# KiCad board r1_panel.kicad_pcb (continued)
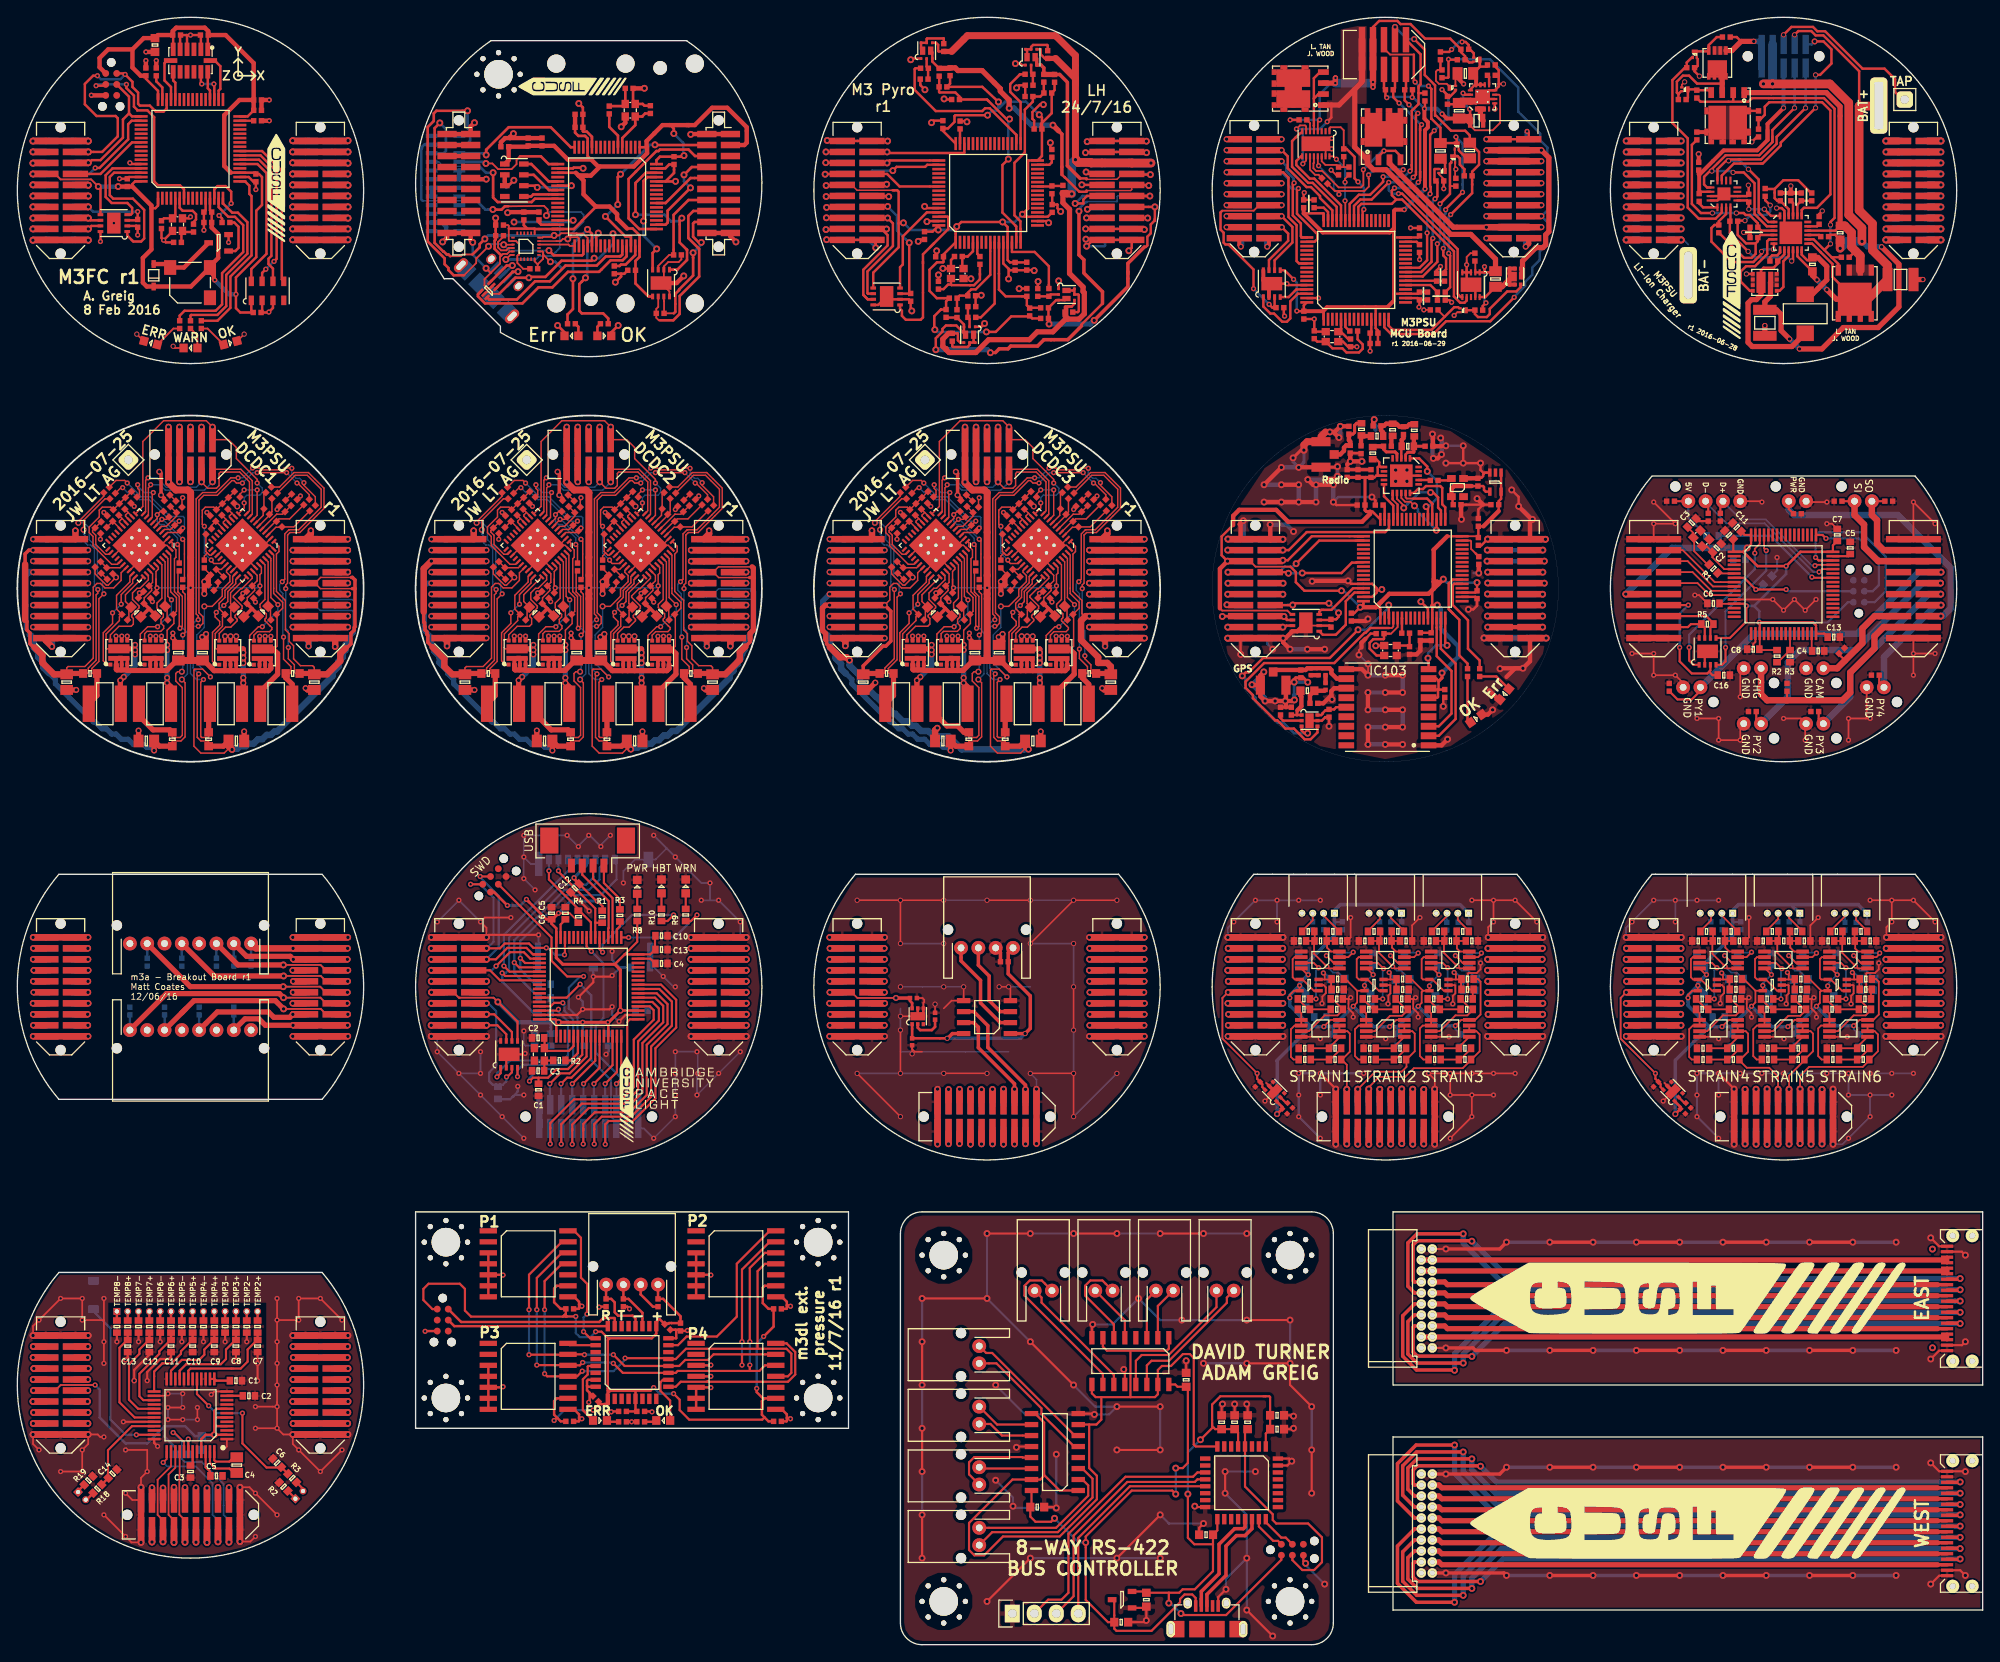
[diagram p0: board, top side]
## Routing (per net, layer and track width the routed paths; a pad name or vN(x,y) marks a point on that pad's centre or on a via; arc(x,y) is an arc through that point) (continued)
  Bottom w0.18: v2(101.49,74.72) 97.06,74.72 97.03,74.72 96.38,75.37 J3#12.11
  Bottom w0.2: 188.38,75.37 J3#9.11 ; v3(189.2,66) 185.19,70.02 185.19,74.71 v2(185.84,75.37) ; 142.38,75.37 J3#8.11 ; v3(143.2,66) 139.19,70.02 139.19,74.71 v2(139.84,75.37) ; J3#10.11 4.42,75.37
  Bottom w0.28: v2(139.67,167.57) 139.68,167.56 ; v2(185.82,167.37) 185.83,167.37 ; J102.11 139.82,121.36 v1(139.8,121.35) ; v1(93.42,167.3) 95.57,167.3 J10.11
  Bottom w0.4: 49.63,121.37 J2#13.11 ; 3.63,121.37 J2#12.11 ; 95.63,121.37 J2#14.11
  Bottom w0.6: 139.68,167.56 141.49,167.56 ; 93.54,116.65 93.01,117.18 93.01,120.56 v2(93.82,121.37) ; v1(166,4.9) 166,8.11 171.59,13.7 v1(224.4,13.7) ; v2(107.8,103.3) 107.45,103.65 106.95,103.65 106.6,104 105.4,104 104.8,104.6 104,104.6 103.4,105.2 102.9,105.2 102.3,105.8 101.8,105.8 101,106.6 100.8,106.6 96.4,111 96.4,111.5 95.7,112.2
  Bottom w0.7: v2(1.82,121.37) 3.63,121.37 ; v2(93.82,121.37) 95.63,121.37 ; v2(47.82,121.37) 49.63,121.37
  Bottom w0.74: J3#10.11 v2(1.87,75.37) ; J3#8.11 v2(139.84,75.37) ; J3#12.11 v2(93.84,75.37) ; 95.7,112.2 95.68,112.2 95.14,112.74 95.14,113.32 94.5,113.96 94.5,114.56 93.87,115.19 93.87,116.32 93.54,116.65 ; J3#9.11 v2(185.84,75.37) ; v1(1.8,167.35) 1.82,167.37 J2#11.11
  Bottom w0.8: 185.83,167.37 J2#16.11
/3v3_FC: length 186.5
  Top w0.16: IC2#7.1 17.9,127.3 17.9,126.9 18.32,126.48 18.32,125.62 18.32,125.62 18.15,125.45 18.15,121.65 18.7,121.1 18.7,117.69 18.79,117.6 v3(18.79,117.42) 18.99,117.62 19.06,117.62 19.06,121.1 18.55,121.61 18.55,123.9 R16#5.1 ; R14#6.1 17.9,104.4 18.9,104.4 19.38,104.88 19.38,111.12 v2(19,111.5)
  Top w0.28: 139.68,170.1 v2(139.67,170.1) ; 185.83,169.91 v2(185.82,169.91) ; J9.7 93.33,169.91 v1(93.3,169.87) ; J101.7 139.83,123.91 v1(139.83,123.9)
  Top w0.4: v2(1.82,123.91) 1.83,123.91 J1#8.7 ; v1(224.4,16.2) 224.38,16.22 J2#8.7 ; v2(47.82,123.91) 47.83,123.91 J1#9.7 ; v1(167,22.27) 161.61,22.27 160.01,20.67 160.01,17.28 161.38,15.91 J1#13.7 ; J1#10.7 93.83,123.91 v2(93.82,123.91)
  Top w0.6: 141.14,170.1 139.68,170.1 ; R14#6.1 16.4,103.8 C16#6.1 v2(15.8,103.3)
  Top w0.74: J1#2.7 v1(47.81,77.91) ; J1#6.7 v1(1.91,31.91) ; J1#4.7 v1(185.81,77.91) ; J1#5.7 v2(1.9,77.91) ; J1#3.7 v1(139.81,77.91) ; J1#16.7 v2(93.81,77.91)
  Top w0.8: J1#12.7 185.83,169.91
  Bottom w0.16: v3(18.79,117.42) 19.13,117.42 19.65,116.9 19.65,112.15 v2(19,111.5)
  Bottom w0.28: v2(139.67,170.1) 139.68,170.1 ; v2(185.82,169.91) 185.83,169.91 ; v1(93.3,169.87) 95.61,169.87 J10.7 ; J102.7 141.63,123.9 v1(139.83,123.9)
  Bottom w0.4: 0.94,118.36 0.94,117.39 1.44,116.89 1.44,116.7 ; 95.63,123.91 J2#14.7 ; 3.63,123.91 J2#12.7 ; 49.63,123.91 J2#13.7
  Bottom w0.6: 139.68,170.1 141.49,170.1 ; v1(224.4,16.2) 170.81,16.2 167,20.01 v1(167,22.27) ; v2(15.8,103.3) 15.45,103.65 14.95,103.65 14.6,104 13.4,104 12.8,104.6 12,104.6 11.4,105.2 10.9,105.2 10.3,105.8 9.8,105.8 9,106.6 8.8,106.6 4.4,111 4.4,111.5 3.7,112.2
  Bottom w0.7: v2(93.82,123.91) 95.63,123.91 ; v2(47.82,123.91) 49.63,123.91 ; v2(1.82,123.91) 3.63,123.91
  Bottom w0.74: v2(93.81,77.91) J3#12.7 ; 3.7,112.2 3,112.9 3,113.5 2.4,114.1 2.4,114.7 1.9,115.2 1.9,115.8 1.6,116.1 1.6,116.54 1.44,116.7 ; J3#9.7 v1(185.81,77.91) ; v2(1.9,77.91) J3#10.7 ; v1(47.81,77.91) J3#7.7 ; J3#8.7 v1(139.81,77.91) ; 0.94,118.36 0.94,123.52 1.33,123.91 v2(1.82,123.91) ; v1(1.91,31.91) J3#11.7
  Bottom w0.8: 185.83,169.91 J2#16.7
/3v3_IMU: length 176.6
  Top w0.16: IC2#7.27 11.99,123.83 11.99,122.95 11.12,122.08 10.12,122.08 9.6,122.6 9.2,122.6 8.77,122.17 8.77,113.97 7.8,113 5.87,113 5.7,112.83 C30.1 ; R24#3.2 10.14,132.38 7.65,129.89 v2(7.65,128.8) ; 7.6,112.22 R26#3.2 8.1,112.2 8.2,112.3 8.2,112.83 9.1,113.72 9.1,121.28 9.3,121.48 v3(9.3,121.9)
  Top w0.28: 139.68,172.65 v2(139.67,172.65) ; 185.83,172.44 v2(185.82,172.44) ; J101.3 139.81,126.44 v1(139.8,126.45) ; J9.3 93.41,172.44 v1(93.4,172.45)
  Top w0.4: v2(47.82,126.44) 47.83,126.44 J1#9.3 ; 0.9,118.4 1.11,118.19 1.11,117.22 1.47,116.86 1.47,115.63 1.89,115.2 2,115.2 ; 0.9,124.8 0.9,126.01 1.33,126.44 v2(1.82,126.44) 1.83,126.44 J1#8.3 ; v2(93.82,126.44) 93.83,126.44 J1#10.3 ; v1(169,20.62) 168.95,20.67 161.7,20.67 161.21,20.17 161.21,18.62 161.38,18.44 J1#13.3 ; J2#8.3 224.36,18.76 v1(224.4,18.8)
  Top w0.6: C30.1 5.8,112.2 R26#3.2 ; J1#11.3 139.68,172.65
  Top w0.74: J1#6.3 v1(1.85,34.44) ; J1#3.3 v1(139.86,80.44) ; J1.3 1.81,172.44 v1(1.8,172.45) ; J1#2.3 v1(47.81,80.44) ; 0.9,118.4 0.9,124.8 ; J1#16.3 v2(93.85,80.44) ; C30.1 4.24,112.1 2.9,113.44 2.9,114.3 2,115.2 ; J1#5.3 v2(1.85,80.44) ; J1#4.3 v1(185.86,80.44)
  Top w0.8: J1#12.3 185.83,172.44
  Bottom w0.16: v2(7.65,128.8) 7.65,128.31 7.85,128.11 7.85,127.3 8.11,127.04 8.46,127.04 8.9,126.6 8.9,122.3 v3(9.3,121.9)
  Bottom w0.28: v2(139.67,172.65) 139.68,172.65 ; v2(185.82,172.44) 185.83,172.44 ; J10.3 95.63,172.45 v1(93.4,172.45) ; J102.3 139.81,126.44 v1(139.8,126.45)
  Bottom w0.4: 3.63,126.44 J2#12.3 ; 95.63,126.44 J2#14.3 ; 49.63,126.44 J2#13.3
  Bottom w0.6: 139.68,172.65 J2#15.3 ; v1(224.4,18.8) 170.82,18.8 v1(169,20.62)
  Bottom w0.7: v2(1.82,126.44) 3.63,126.44 ; v2(47.82,126.44) 49.63,126.44 ; v2(93.82,126.44) 95.63,126.44
  Bottom w0.74: J3#10.3 v2(1.85,80.44) ; J2#11.3 1.81,172.44 v1(1.8,172.45) ; J3#9.3 v1(185.86,80.44) ; v2(93.85,80.44) J3#12.3 ; v1(47.81,80.44) J3#7.3 ; J3#8.3 v1(139.86,80.44) ; v1(1.85,34.44) J3#11.3
  Bottom w0.8: 185.83,172.44 J2#16.3
/3v3_PYRO: length 188.2
  Top w0.16: R16#6.1 64.55,123.9 64.55,121.61 65.06,121.1 65.06,117.62 64.99,117.62 v3(64.79,117.42) 64.79,117.6 64.7,117.69 64.7,121.1 64.15,121.65 64.15,125.45 64.32,125.62 64.32,125.62 64.32,126.48 63.9,126.9 63.9,127.3 IC2#8.1 ; R14#5.1 63.9,104.4 64.9,104.4 65.38,104.88 65.38,111.12 v2(65,111.5)
  Top w0.28: 139.68,168.84 v2(139.67,168.83) ; v2(185.82,168.64) 185.83,168.63 ; J101.9 139.84,122.64 v1(139.83,122.62)
  Top w0.4: J1#13.9 161.38,14.63 159.41,16.61 159.41,20.92 161.56,23.07 v1(166,23.07) ; J1#9.9 49.28,122.63 v2(47.82,122.63) ; v2(93.82,122.63) 95.28,122.63 J1#10.9 ; J1#8.9 3.28,122.63 v2(1.82,122.63) ; v1(224.4,15) 224.35,14.95 J2#8.9
  Top w0.6: v2(61.8,103.3) C16#7.1 62.4,103.8 R14#5.1 ; J1#11.9 139.68,168.84
  Top w0.74: J1.9 1.82,168.63 v1(1.8,168.65) ; v2(93.84,76.63) J1#16.9 ; J1#3.9 v1(139.87,76.63) ; J1#2.9 v1(47.81,76.63) ; J1#4.9 v1(185.87,76.63) ; J1#5.9 v2(1.84,76.63) ; J1#6.9 v1(1.84,30.63)
  Top w0.8: 185.83,168.63 J1#12.9
  Bottom w0.16: v2(65,111.5) 65.65,112.15 65.65,116.9 65.13,117.42 v3(64.79,117.42)
  Bottom w0.28: v2(139.67,168.83) 139.68,168.84 ; 185.83,168.63 v2(185.82,168.64) ; v1(139.83,122.62) 141.63,122.62 J102.9
  Bottom w0.4: 1.83,122.64 v2(1.82,122.63) ; 47.83,122.64 v2(47.82,122.63) ; 93.83,122.64 v2(93.82,122.63)
  Bottom w0.6: 139.68,168.84 J2#15.9 ; v2(47.82,122.63) 47.33,122.63 46.98,122.28 47.01,122.25 47.01,117.19 47.86,116.34 47.86,115.28 48.07,115.08 48.07,114.78 48.69,114.15 48.69,113.44 49.7,112.43 49.7,112.2 50.4,111.5 50.4,111 54.8,106.6 55,106.6 55.8,105.8 56.3,105.8 56.9,105.2 57.4,105.2 58,104.6 58.8,104.6 59.4,104 60.6,104 60.95,103.65 61.45,103.65 v2(61.8,103.3) ; v1(166,23.07) 166,19.8 170.81,15 v1(224.4,15)
  Bottom w0.7: J2#14.9 93.83,122.64 ; J2#13.9 47.83,122.64 ; J2#12.9 1.83,122.64
  Bottom w0.74: v2(1.84,76.63) J3#10.9 ; J3#8.9 v1(139.87,76.63) ; v1(1.8,168.65) 1.82,168.63 J2#11.9 ; J3#12.9 v2(93.84,76.63) ; J3#9.9 v1(185.87,76.63) ; v1(47.81,76.63) J3#7.9 ; J3#11.9 v1(1.84,30.63)
  Bottom w0.8: J2#16.9 185.83,168.63
/3v3_RADIO: length 176.1
  Top w0.16: v3(55.3,121.9) 55.3,121.48 55.1,121.28 55.1,113.72 54.2,112.83 54.2,112.3 54.1,112.2 R26#4.2 53.6,112.22 ; v2(53.65,128.8) 53.65,129.89 56.14,132.38 R24#4.2 ; IC2#8.27 57.99,123.83 57.99,122.95 57.12,122.08 56.12,122.08 55.6,122.6 55.2,122.6 54.77,122.17 54.77,113.97 53.8,113 51.87,113 51.7,112.83 C30#2.1
  Top w0.28: 139.68,171.38 v2(139.67,171.37) ; v2(185.82,171.18) 185.83,171.18 ; J9.5 95.25,171.21 v1(93.37,171.21)
  Top w0.4: v2(1.82,125.18) 3.28,125.18 J1#8.5 ; J1#10.5 95.28,125.18 v2(93.82,125.18) ; v1(168,21.47) 161.66,21.47 160.61,20.42 160.61,17.95 161.38,17.18 J1#13.5 ; J2#8.5 224.39,17.49 v1(224.4,17.5) ; 46.94,119.32 46.94,118.14 47.04,118.04 47.04,117.66 47.09,117.61 47.09,117.23 47.31,117.01 47.31,116.71 47.41,116.61 47.41,115.8 47.97,115.24 ; v2(47.82,125.18) 49.28,125.18 J1#9.5
  Top w0.6: C30#2.1 51.8,112.2 R26#4.2 ; J1#11.5 139.68,171.38
  Top w0.74: v1(1.8,171.15) 1.83,171.18 J1.5 ; J1#5.5 v2(1.83,79.18) ; 46.94,119.32 46.94,124.3 v2(47.82,125.18) ; J1#2.5 v1(47.8,79.18) ; J1#4.5 v1(185.83,79.18) ; 47.97,115.24 49.32,113.89 49.32,113.02 50.24,112.1 C30#2.1 ; J1#16.5 v2(93.83,79.18) ; J1#6.5 v1(1.83,33.18) ; J1#3.5 v1(139.83,79.18)
  Top w0.8: 185.83,171.18 J1#12.5
  Bottom w0.16: v3(55.3,121.9) 54.9,122.3 54.9,126.6 54.46,127.04 54.11,127.04 53.85,127.3 53.85,128.11 53.65,128.31 v2(53.65,128.8)
  Bottom w0.28: v2(139.67,171.37) 139.68,171.38 ; 185.83,171.18 v2(185.82,171.18) ; v1(93.37,171.21) 93.41,171.18 J10.5
  Bottom w0.4: 1.83,125.17 v2(1.82,125.18) ; 47.83,125.17 v2(47.82,125.18) ; 93.83,125.17 v2(93.82,125.18)
  Bottom w0.6: 139.68,171.38 J2#15.5 ; v1(224.4,17.5) 170.71,17.5 168,20.21 v1(168,21.47)
  Bottom w0.7: J2#12.5 1.83,125.17 ; J2#14.5 93.83,125.17 ; J2#13.5 47.83,125.17
  Bottom w0.74: J3#8.5 v1(139.83,79.18) ; v1(1.8,171.15) 1.83,171.18 J2#11.5 ; v2(93.83,79.18) J3#12.5 ; v2(1.83,79.18) J3#10.5 ; v1(47.8,79.18) J3#7.5 ; v1(1.83,33.18) J3#11.5 ; J3#9.5 v1(185.83,79.18)
  Bottom w0.8: J2#16.5 185.83,171.18
/5v_AUX1: length 249.1
  Top w0.16: v3(72,134.2) 71.3,134.2 71.02,134.48 70.79,134.48 69.09,132.78 67.53,132.78 66.98,132.22 66.98,119.21 67.44,118.75 67.44,117.99 67.1,117.65 v3(66.9,117.65) ; v3(78.3,134.2) 78.38,134.2 79.72,132.86 R11#5.2 ; IC1#9.27 70.16,124.1 70.16,123.9 70.55,123.52 70.55,122.81 69.67,121.92 69.67,121.12 68.5,119.95 v2(67.6,119.95) ; C15#6.1 70.4,103.52 69.89,103 67.2,103 66.4,103.8 66.4,112.6 66.5,112.7 67.4,112.7 v3(68.3,111.8) ; v3(66.95,112.15) 66.78,111.98 66.78,104.82 67.2,104.4 68,104.4 68.1,104.3 R13#5.2 ; v3(77.1,135.4) v3(73.7,135.4)
  Top w0.28: 169.68,167.56 v2(169.67,167.57) ; v2(215.82,167.36) 215.83,167.37 ; v1(122.18,166.5) 123.12,166.5 123.12,166.94 123.55,167.37 J11.11 125.23,167.3
  Top w0.4: v1(166,31.7) 165.97,31.73 161.61,31.73 160.01,33.33 160.01,37.99 161.38,39.37 J1#14.11 ; J2#9.11 224.38,39.68 v1(224.4,39.7)
  Top w0.5: v1(169.8,121.38) 169.81,121.36 J103.11
  Top w0.6: C15#6.1 69.8,103.8 R13#5.2 ; 171.14,167.56 169.68,167.56
  Top w0.74: J2.11 v1(77.82,75.37) ; C15#6.1 70.4,103.9 v2(70.86,103.44) ; v2(31.82,121.36) 31.83,121.36 J4.11 ; J2#10.11 v2(123.87,75.37) ; J3.11 31.82,167.37 v1(31.8,167.35) ; v2(77.82,121.36) 77.83,121.36 J4#2.11 ; J2#2.11 v1(169.84,75.37) ; J4#3.11 123.83,121.36 v2(123.82,121.36) ; J2#5.11 v1(31.87,29.37) ; J2#3.11 v1(215.84,75.37) ; J2#4.11 v2(31.84,75.37)
  Top w0.8: 215.83,167.37 J4#6.11
  Bottom w0.16: 66.32,116.35 66.32,112.79 66.95,112.16 v3(66.95,112.15) ; 66.32,116.35 66.32,117.52 ; 66.32,116.35 66.32,117.52 ; J5#7.11 80.38,121.36 ; 80.38,121.36 80.99,121.98 84.83,121.98 84.99,121.82 ; 80.38,121.36 80.99,120.75 84.99,120.75 ; 66.32,117.52 66.45,117.65 v3(66.9,117.65) ; v2(67.6,119.95) 67.6,117.52 66.73,116.65 66.73,113.37 v3(68.3,111.8) ; v3(77.1,135.4) v3(78.3,134.2) ; v3(72,134.2) 73.2,135.4 73.27,135.4 73.28,135.4 v3(73.7,135.4)
  Bottom w0.28: v2(169.67,167.57) 169.68,167.56 ; 215.83,167.37 v2(215.82,167.36) ; v1(122.18,166.5) 123.05,167.37 J12.11 125.63,167.36
  Bottom w0.4: 84.75,116.8 84.75,116.86 84.97,117.08 84.97,117.68 85.04,117.75
  Bottom w0.5: v1(169.8,121.38) 171.63,121.38 J104.11
  Bottom w0.6: 169.68,167.56 171.49,167.56 ; v1(224.4,39.7) 172.08,39.7 166,33.62 v1(166,31.7) ; 84.93,121.88 84.93,121.79 85.04,121.68 85.04,117.75 ; 84.24,116.29 84.75,116.8
  Bottom w0.74: 84.24,116.29 84.24,115.74 83.98,115.48 83.98,114.94 83.73,114.69 83.73,114.44 83.58,114.29 83.58,113.97 83.22,113.61 83.22,113.32 82.72,112.82 82.72,112.51 82.26,112.05 82.26,111.68 76.13,105.55 75.62,105.55 75.11,105.04 74.66,105.04 74.1,104.48 73.64,104.48 73.24,104.08 72.77,104.08 72.51,103.82 71.84,103.82 71.65,103.63 71.05,103.63 v2(70.86,103.44) ; J4#13.11 v1(31.87,29.37) ; J4#12.11 v2(31.84,75.37) ; v2(77.82,121.36) 79.63,121.36 J5#7.11 ; J4#11.11 v1(215.84,75.37) ; J5#6.11 33.63,121.36 v2(31.82,121.36) ; J5#11.11 v2(123.87,75.37) ; J5#8.11 125.63,121.36 v2(123.82,121.36) ; J4#8.11 31.82,167.37 v1(31.8,167.35) ; J4#10.11 v1(169.84,75.37) ; v1(77.82,75.37) J4#9.11
  Bottom w0.8: J5#10.11 215.83,167.37
/5v_AUX2: length 240.3
  Top w0.16: v3(22.3,111.8) 21.4,112.7 20.5,112.7 20.4,112.6 20.4,103.8 21.2,103 23.89,103 24.4,103.52 C15#5.1 ; IC1#8.27 24.16,124.1 24.16,123.9 24.55,123.52 24.55,122.81 23.67,121.92 23.67,121.12 22.5,119.95 v2(21.6,119.95) ; v3(32.3,134.2) 32.38,134.2 33.72,132.86 R11#6.2 ; v3(20.95,112.15) 20.78,111.98 20.78,104.82 21.2,104.4 22,104.4 22.1,104.3 R13#6.2 ; v3(20.9,117.65) 21.1,117.65 21.44,117.99 21.44,118.75 20.98,119.21 20.98,132.22 21.53,132.78 23.09,132.78 24.79,134.48 25.02,134.48 25.3,134.2 v3(26,134.2) ; v3(31.1,135.4) v3(27.7,135.4)
  Top w0.28: 169.68,166.3 v2(169.67,166.3) ; v2(215.82,166.09) 215.83,166.09 ; v1(123.6,165.82) 123.87,166.09 J11.13
  Top w0.4: J2#9.13 224.39,38.41 v1(224.4,38.4) ; v1(167,32.53) 161.66,32.53 160.61,33.58 160.61,37.32 161.38,38.09 J1#14.13
  Top w0.5: J103.13 169.83,120.09 v1(169.83,120.1)
  Top w0.6: C15#5.1 23.8,103.8 R13#6.2 ; J4#4.13 169.68,166.3
  Top w0.74: v1(31.8,166.1) 31.81,166.09 J3.13 ; v2(24.8,103.4) 24.4,103.8 C15#5.1 ; J2#2.13 v1(169.81,74.09) ; J4.13 31.83,120.09 v2(31.82,120.1) ; J2.13 v1(77.81,74.09) ; J4#3.13 123.83,120.09 v2(123.82,120.1) ; J2#5.13 v1(31.81,28.09) ; J2#10.13 v2(123.81,74.09) ; J4#2.13 77.83,120.09 v2(77.82,120.1) ; J2#4.13 v2(31.81,74.09) ; J2#3.13 v1(215.81,74.09)
  Top w0.8: 215.83,166.09 J4#6.13
  Bottom w0.16: 20.32,116.35 20.32,112.79 20.95,112.16 v3(20.95,112.15) ; 20.32,116.35 20.32,117.52 ; 20.32,116.35 20.32,117.52 ; v3(27.7,135.4) 27.28,135.4 27.27,135.4 27.2,135.4 v3(26,134.2) ; v3(31.1,135.4) v3(32.3,134.2) ; 37.72,119.47 37.78,119.47 ; 37.72,119.47 38.75,119.47 38.91,119.31 38.91,120.51 38.68,120.74 35.02,120.74 34.38,120.09 ; 37.72,119.47 35,119.47 34.38,120.09 ; 34.38,120.09 J5#6.13 ; 20.32,117.52 20.45,117.65 v3(20.9,117.65) ; v3(22.3,111.8) 20.73,113.37 20.73,116.65 21.6,117.52 v2(21.6,119.95)
  Bottom w0.28: v2(169.67,166.3) 169.68,166.3 ; 215.83,166.09 v2(215.82,166.09) ; v1(123.6,165.82) 125.36,165.82 J12.13
  Bottom w0.4: 38.91,119.31 38.91,116.91 38.3,116.3
  Bottom w0.5: J104.13 171.63,120.1 v1(169.83,120.1)
  Bottom w0.6: 169.68,166.3 J5#9.13 ; v1(167,32.53) 167,33.56 171.84,38.4 v1(224.4,38.4)
  Bottom w0.74: J5#6.13 33.63,120.1 v2(31.82,120.1) ; v1(31.8,166.1) 31.81,166.09 J4#8.13 ; v2(123.81,74.09) J5#11.13 ; v1(31.81,28.09) J4#13.13 ; v2(24.8,103.4) 24.9,103.5 25.4,103.5 25.7,103.8 26.4,103.8 26.7,104.1 27.3,104.1 27.8,104.6 28.3,104.6 28.8,105.1 29.3,105.1 29.7,105.5 30,105.5 36.4,111.9 36.4,112.3 37.1,113 37.1,113.6 37.6,114.1 37.6,114.6 37.9,114.9 37.9,115.5 38.3,115.9 38.3,116.3 ; v2(77.82,120.1) 79.63,120.1 J5#7.13 ; v1(77.81,74.09) J4#9.13 ; J5#8.13 125.63,120.1 v2(123.82,120.1) ; v1(169.81,74.09) J4#10.13 ; v1(215.81,74.09) J4#11.13 ; v2(31.81,74.09) J4#12.13
  Bottom w0.8: J5#10.13 215.83,166.09
/5v_CAM: length 197.6
  Top w0.16: 123.39,118.82 123.24,118.82 122.96,119.1 122.96,120.64 121.93,121.67 121.93,125.99 122.22,126.28 122.22,126.88 IC1#10.1 ; R1#9.1 124.1,112.2 124,112.3 124,113.2 123.3,113.9 v3(123.3,114.24) ; R3#10.1 122.28,133.74 123.96,135.41 125.62,135.41 127.42,133.62 127.42,131.26 124.63,128.48 123.5,128.48 123.21,128.19 123.21,122.63 123,122.42 v3(123,122) 123.1,122.1
  Top w0.25: 211.1,113.7 210.4,114.4 D9.1
  Top w0.28: v2(169.67,165.03) 169.68,165.03 ; v2(215.82,164.82) 215.83,164.82 ; v1(123.49,164.83) 125.28,164.83 J11.15
  Top w0.35: 31.7,72.7 v2(31.83,72.82)
  Top w0.4: v1(224.4,37.1) 224.36,37.14 J2#9.15 ; J1#14.15 161.38,36.82 161.21,36.65 161.21,33.83 161.7,33.33 167.97,33.33 v1(168,33.3)
  Top w0.5: J103.15 v1(169.8,118.83)
  Top w0.6: 169.68,165.03 171.14,165.03 ; v2(31.83,72.82) 31.48,72.48 29.63,72.48 29,73.1 23.1,73.1 J6#2.5 ; C1#9.1 126.2,112.2 R1#9.1
  Top w0.74: J2.15 v1(77.8,72.82) ; J2#4.15 v2(31.83,72.82) ; J12#2.1 210.2,112.8 213.1,115.7 213.1,117.4 214.53,118.83 J2#6.15 ; J2#5.15 v1(31.83,26.82) ; v2(31.82,118.82) 31.83,118.83 J4.15 ; v1(31.8,164.85) 31.83,164.82 J3.15 ; v2(77.82,118.82) 77.83,118.83 J4#2.15 ; J2#3.15 v1(215.88,72.82) ; J4#3.15 123.83,118.83 v2(123.82,118.82) 123.39,118.82 122.86,118.29 122.86,116.06 124.84,114.08 124.84,113.42 125.89,113.42 126.3,113 C1#9.1 126.15,112.1 ; J2#2.15 v1(169.88,72.82) ; J2#10.15 v2(123.88,72.82)
  Top w0.8: 215.83,164.82 J4#6.15
  Bottom w0.16: v3(123,122) 123,117.4 123.3,117.1 v3(123.3,114.24)
  Bottom w0.28: 169.68,165.03 v2(169.67,165.03) ; 215.83,164.82 v2(215.82,164.82) ; v1(123.49,164.83) 123.5,164.82 J12.15 ; D6#4.1 J6#2.5
  Bottom w0.5: v1(169.8,118.83) J104.15
  Bottom w0.6: 171.49,165.03 169.68,165.03 ; v1(224.4,37.1) 171.8,37.1 v1(168,33.3)
  Bottom w0.74: J5#7.15 79.63,118.82 v2(77.82,118.82) ; J4#12.15 v2(31.83,72.82) ; J4#11.15 v1(215.88,72.82) ; J5#11.15 v2(123.88,72.82) ; J5#8.15 125.63,118.82 v2(123.82,118.82) ; v1(77.8,72.82) J4#9.15 ; J4#8.15 31.83,164.82 v1(31.8,164.85) ; v2(31.82,118.82) 33.63,118.82 J5#6.15 ; J4#13.15 v1(31.83,26.82) ; J4#10.15 v1(169.88,72.82)
  Bottom w0.8: J5#10.15 215.83,164.82
/5v_CAN: length 247.1
  Top w0.16: IC2#9.27 103.99,123.83 103.99,122.95 103.12,122.08 102.12,122.08 101.6,122.6 101.2,122.6 100.77,122.17 100.77,120.69 v2(100.18,120.1) ; v3(101.3,121.9) 101.29,121.89 101.29,113.91 100.2,112.83 100.2,112.3 100.1,112.2 R26#5.2 99.6,112.22 ; v2(99.65,128.8) 99.65,129.89 102.14,132.38 R24#5.2
  Top w0.2: 139.14,165.63 139.17,165.66 142.8,165.66 143.44,166.3 J1#11.14 143.46,166.3 ; IC2#10.3 74.03,159.28 75.29,160.55 C12#10.1
  Top w0.25: IC2#3.3 57.13,66.12 56.6,65.6 v3(56.5,65.6) ; J1#7.14 193,120.09 v3(193,120.1) ; 195.4,112.4 195.2,112.2 193.4,112.2 192,113.6 v3(192,115.2) ; 195.4,112.4 195.8,112 C16#5.1 ; 195.4,112.4 195.55,112.55 IC2#6.3
  Top w0.28: 146.03,166.3 v2(146.03,166.3) ; v3(144.58,154.84) 144.96,154.46 C16#10.1 145.22,154.62 145.22,155.68 ; v3(142.78,156.65) 142.78,158.87 139.89,161.76 139.54,161.76 139.33,161.97 139.33,163.12 138.97,163.48 138.97,165.46 139.14,165.63 ; v2(192.18,166.09) 192.18,166.09 ; v1(152.6,119.2) 152.6,118.73 152.32,118.45 C112.1 151.65,118.38 IC102.3 ; 99.89,166.09 J9.14 100.47,166.09 v1(100.52,166.15) ; v1(103.02,161.96) 103.02,156.27 C16#2.1 103.16,156.07 IC2#2.3 ; v1(151.49,120.31) 147.51,120.31 v1(147.31,120.11) 147.3,120.09 J101.14 ; v3(13.9,165.55) C15.1 13.8,164.55 IC3.3
  Top w0.3: 78.81,166.9 79.64,166.9 77.52,166.9 75.8,165.18 C12#10.1
  Top w0.4: C30#3.1 97.7,113.08 99.99,115.36 100.31,115.36 100.89,115.94 100.89,119.39 v2(100.18,120.1) 98.72,120.1 J1#10.14 ; 221.79,11.78 J2#8.14 ; J1#9.14 52.72,120.1 v2(54.18,120.1) ; J1#8.14 6.72,120.1 v2(8.18,120.1)
  Top w0.6: C30#3.1 97.8,112.2 R26#5.2 ; J1#13.14 164.21,12.09 164.53,11.78 221.79,11.78 ; J1#11.14 146.03,166.3
  Top w0.74: J1#4.14 v2(192.2,74.09) ; J1#3.14 v2(146.2,74.09) ; J1#5.14 v2(8.2,74.09) ; J1#2.14 v2(54.2,74.09) ; J1.14 8.2,166.09 v1(8.2,166.1) ; v2(100.2,74.09) J1#16.14 ; J1#6.14 v1(8.11,28.09)
  Top w0.8: 192.18,166.09 J1#12.14
  Bottom w0.16: v2(99.65,128.8) 99.65,128.31 99.85,128.11 99.85,127.3 100.11,127.04 100.46,127.04 100.9,126.6 100.9,122.3 v3(101.3,121.9)
  Bottom w0.25: v3(192,115.2) 192,119.1 v3(193,120.1) ; v2(54.2,74.09) 54.41,74.09 55.3,73.2 55.3,66.9 54.5,66.1 54.5,65.1 54.9,64.7 55.3,64.7 55.5,64.5 55.7,64.7 56.1,64.7 56.5,65.1 v3(56.5,65.6) ; 52.41,74.05 J3#7.14
  Bottom w0.28: v2(146.03,166.3) 146.03,166.3 ; v3(144.58,154.84) 142.78,156.64 v3(142.78,156.65) ; 192.18,166.09 v2(192.18,166.09) ; v3(13.9,165.55) 8.75,165.55 v1(8.2,166.1) ; J10.14 98.42,166.15 v1(100.52,166.15) 101.6,165.06 101.6,163.37 v1(103.02,161.96) ; v1(152.6,119.2) v1(151.49,120.31) ; J102.14 144.39,120.12 147.3,120.12 v1(147.31,120.11)
  Bottom w0.4: 54.18,120.09 v2(54.18,120.1) ; 8.18,120.09 v2(8.18,120.1) ; 100.18,120.09 v2(100.18,120.1)
  Bottom w0.6: 146.03,166.3 J2#15.14
  Bottom w0.7: J2#14.14 100.18,120.09 ; J2#13.14 54.18,120.09 ; J2#12.14 8.18,120.09
  Bottom w0.74: J2#11.14 8.2,166.09 v1(8.2,166.1) ; J3#8.14 v2(146.2,74.09) ; J3#12.14 v2(100.2,74.09) ; J3#9.14 v2(192.2,74.09) ; v2(54.2,74.09) J3#7.14 ; v1(8.11,28.09) J3#11.14 ; J3#10.14 v2(8.2,74.09)
  Bottom w0.8: J2#16.14 192.18,166.09
/5v_IMU: length 200.9
  Top w0.16: 31.1,122.1 v3(31,122) 31,122.42 31.21,122.63 31.21,128.19 31.5,128.48 32.63,128.48 35.42,131.26 35.42,133.62 33.62,135.41 31.96,135.41 30.28,133.74 R3#8.1 ; 38.7,122 35.01,122 34.38,122.64 ; C1#7.1 34.3,112.9 34.1,113.1 32.7,113.1 31.91,113.89 31.91,115.4 31.4,115.91 31.4,116.8 30.96,117.24 30.96,120.64 29.93,121.67 29.93,125.99 30.22,126.28 30.22,126.88 IC1#8.1 ; R1#7.1 32.1,112.2 32,112.3 32,113.2 31.3,113.9 v3(31.3,115.2) ; 34.38,122.64 35.04,123.29 38.6,123.29 ; 34.38,122.64 J4.9
  Top w0.28: v2(169.67,168.84) 169.68,168.84 ; v2(215.82,168.63) 215.83,168.63 ; v1(122.95,168.65) 122.97,168.63 J11.9
  Top w0.4: v1(167,47.47) 161.66,47.47 160.61,46.42 160.61,41.41 161.38,40.63 J1#14.9 ; v1(224.4,41) 224.35,40.95 J2#9.9 ; 38.7,122 39,122 ; 39,122 39,117.6 38.91,117.51 38.91,117.21 38.54,116.84 38.54,115.63 38.01,115.1 37.9,115.1 ; 39,122 39,123 38.71,123.29 38.6,123.29
  Top w0.5: v1(169.83,122.65) 171.27,122.65 J103.9
  Top w0.6: 169.68,168.84 J4#4.9 ; C1#7.1 34.2,112.2 R1#7.1
  Top w0.74: J2#2.9 v1(169.84,76.63) ; J2#5.9 v1(31.84,30.63) ; v2(123.82,122.64) 123.83,122.64 J4#3.9 ; J4#2.9 77.83,122.64 v2(77.82,122.64) ; J4.9 31.83,122.64 v2(31.82,122.64) ; J2#3.9 v1(215.84,76.63) ; J2#10.9 v2(123.84,76.63) ; 37.9,115.1 37.3,114.5 37.3,113.64 35.77,112.1 C1#7.1 ; v1(31.8,168.65) 31.82,168.63 J3.9 ; J2.9 v1(77.81,76.63) ; J2#4.9 v2(31.87,76.63)
  Top w0.8: 215.83,168.63 J4#6.9
  Bottom w0.16: v3(31.3,115.2) 31.3,117.1 31,117.4 v3(31,122)
  Bottom w0.28: 169.68,168.84 v2(169.67,168.84) ; 215.83,168.63 v2(215.82,168.63) ; v1(122.95,168.65) 125.62,168.65 J12.9 125.62,168.65
  Bottom w0.5: J104.9 169.84,122.64 v1(169.83,122.65)
  Bottom w0.6: v1(224.4,41) 172.36,41 167,46.36 v1(167,47.47) ; J5#9.9 169.68,168.84
  Bottom w0.74: v1(31.8,168.65) 31.82,168.63 J4#8.9 ; J5#7.9 79.63,122.64 v2(77.82,122.64) ; v2(123.84,76.63) J5#11.9 ; J5#8.9 125.63,122.64 v2(123.82,122.64) ; v2(31.87,76.63) J4#12.9 ; v2(31.82,122.64) 33.63,122.64 J5#6.9 ; v1(169.84,76.63) J4#10.9 ; v1(77.81,76.63) J4#9.9 ; v1(215.84,76.63) J4#11.9 ; v1(31.84,30.63) J4#13.9
  Bottom w0.8: J5#10.9 215.83,168.63
/5v_RADIO: length 197.8
  Top w0.16: J4#2.7 80.38,123.91 ; 80.38,123.91 81,123.28 84.81,123.28 ; 80.38,123.91 80.99,124.52 84.87,124.52 ; v3(77.3,115.2) 77.3,113.9 78,113.2 78,112.3 78.1,112.2 R1#8.1 ; IC1#9.1 76.22,126.88 76.22,126.28 75.93,125.99 75.93,121.67 76.96,120.64 76.96,117.24 77.4,116.8 77.4,115.91 77.91,115.4 77.91,113.89 78.7,113.1 80.1,113.1 80.3,112.9 C1#8.1 ; 77.1,122.1 v3(77,122) 77,122.42 77.21,122.63 77.21,128.19 77.5,128.48 78.63,128.48 81.42,131.26 81.42,133.62 79.62,135.41 77.96,135.41 76.28,133.74 R3#9.1
  Top w0.28: v2(169.67,170.11) 169.68,170.1 ; v2(215.82,169.91) 215.83,169.91 ; v1(123.44,170.13) 123.67,169.91 J11.7
  Top w0.4: 85.01,123.28 84.59,123.28 ; v1(224.4,42.3) 224.32,42.22 J2#9.7 ; 84.1,115.31 84.64,115.85 84.64,116.14 ; v1(168,46.62) 167.95,46.67 161.7,46.67 161.21,46.17 161.21,42.08 161.38,41.91 J1#14.7
  Top w0.5: J103.7 169.83,123.91 v1(169.83,123.9)
  Top w0.6: 169.68,170.1 171.14,170.1 ; R1#8.1 80.2,112.2 C1#8.1 ; 84.64,116.14 84.64,116.84 85.01,117.22 85.01,124.38 84.87,124.52
  Top w0.74: J2#5.7 v1(31.81,31.91) ; J2#10.7 v2(123.81,77.91) ; J4#2.7 77.83,123.91 v2(77.82,123.91) ; v2(31.82,123.91) 31.83,123.91 J4.7 ; J3.7 31.81,169.91 v1(31.8,169.9) ; J2#4.7 v2(31.81,77.91) ; J4#3.7 123.83,123.91 v2(123.82,123.91) ; J2#2.7 v1(169.81,77.91) ; J2.7 v1(77.81,77.91) ; J2#3.7 v1(215.81,77.91) ; C1#8.1 81.77,112.1 83.45,113.78 83.45,114.66 84.1,115.31
  Top w0.8: 215.83,169.91 J4#6.7
  Bottom w0.16: v3(77.3,115.2) 77.3,117.1 77,117.4 v3(77,122)
  Bottom w0.28: 169.68,170.1 v2(169.67,170.11) ; 215.83,169.91 v2(215.82,169.91) ; v1(123.44,170.13) 125.41,170.13 J12.7
  Bottom w0.5: v1(169.83,123.9) 171.63,123.9 J104.7
  Bottom w0.6: v1(168,46.62) 172.32,42.3 v1(224.4,42.3) ; 171.49,170.1 169.68,170.1
  Bottom w0.74: v2(31.82,123.91) 33.63,123.91 J5#6.7 ; v1(31.81,31.91) J4#13.7 ; v1(77.81,77.91) J4#9.7 ; v1(169.81,77.91) J4#10.7 ; J5#7.7 79.63,123.91 v2(77.82,123.91) ; v2(123.82,123.91) 125.63,123.91 J5#8.7 ; J4#8.7 31.81,169.91 v1(31.8,169.9) ; J5#11.7 v2(123.81,77.91) ; J4#12.7 v2(31.81,77.91) ; v1(215.81,77.91) J4#11.7
  Bottom w0.8: J5#10.7 215.83,169.91
/VBATT: length 38.2
  Top w0.74: v2(18.73,134.32) J3#3.3 J3#3.4 v2(18.73,140.68) ; v2(64.73,140.68) J3#4.4 J3#4.3 v2(64.73,134.32) ; v2(110.73,140.68) J3#5.4 J3#5.3 v2(110.73,134.32)
  Bottom w0.74: v2(110.73,134.32) J6#10.3 J6#10.4 v2(110.73,140.68) ; v2(18.73,140.68) J6#8.4 J6#8.3 v2(18.73,134.32) ; v2(64.73,134.32) J6#9.3 J6#9.4 v2(64.73,140.68)
